# Altium PCB CATS-FAT..PcbDoc (part 1 of 2) (continued)
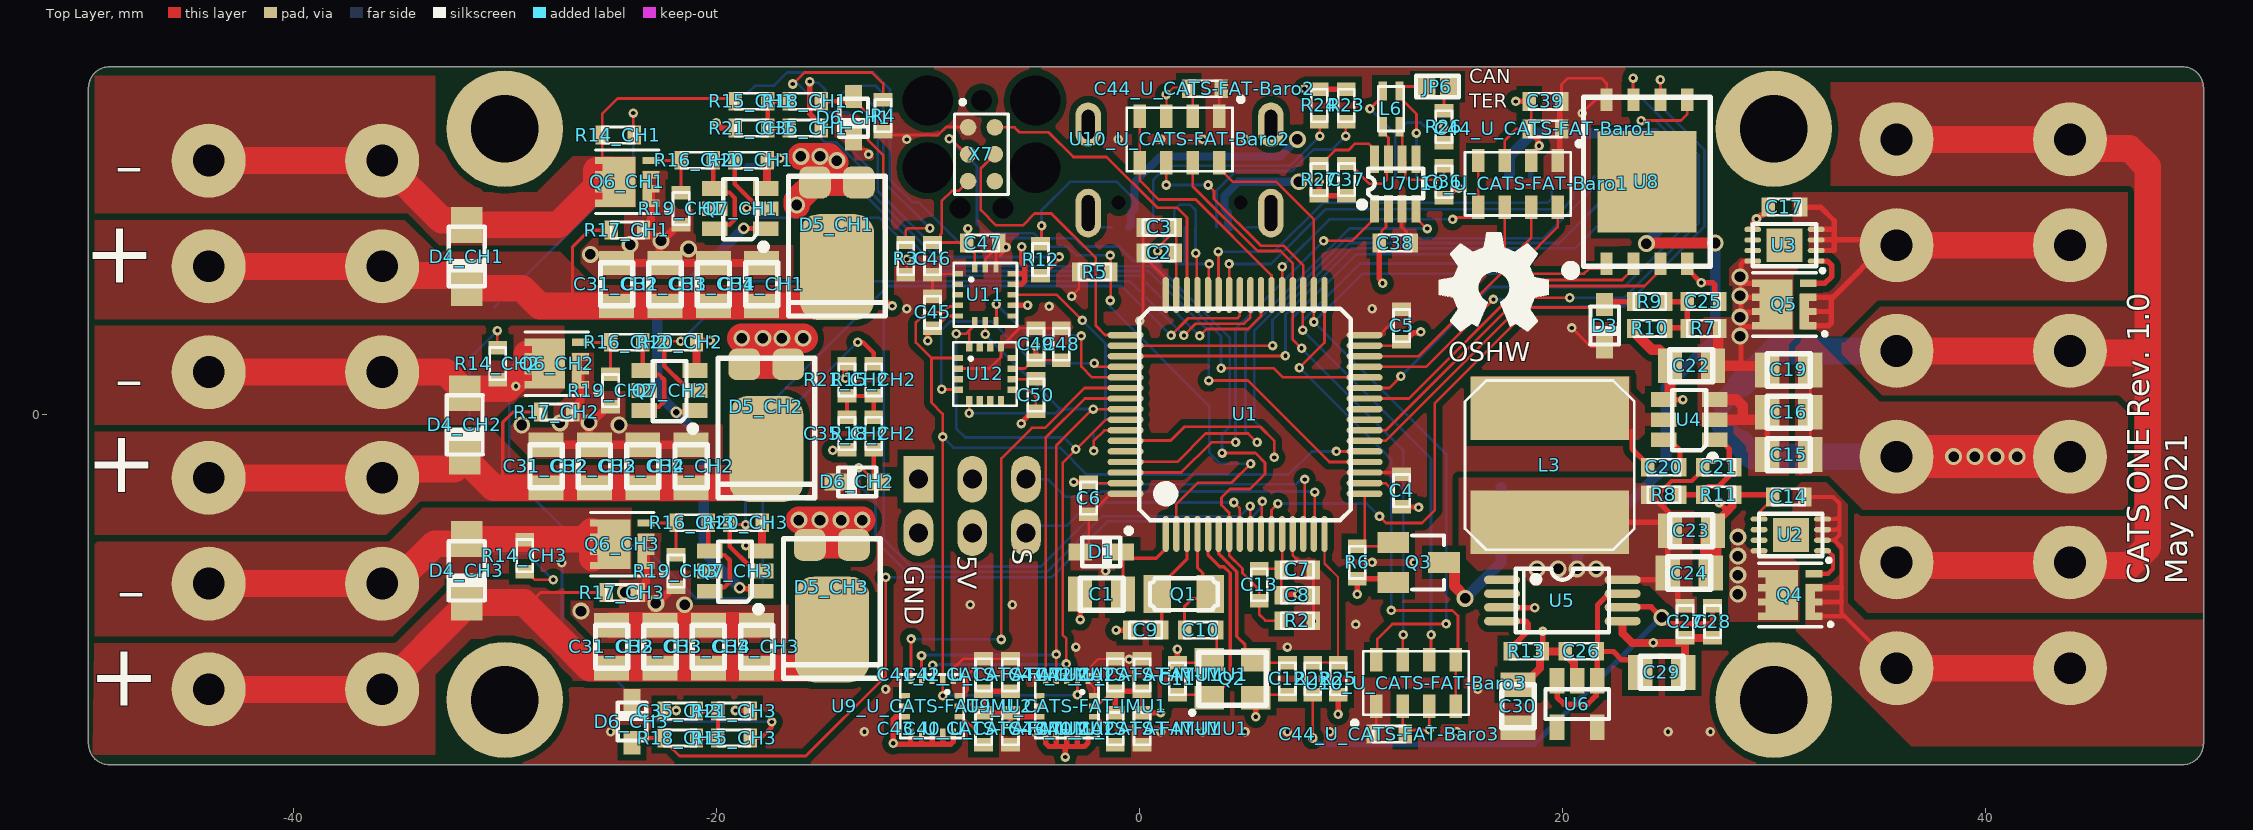
[diagram p0: Top Layer view]
## Components (designator, comment, footprint, x,y, rotation, side; value= is the part's Value field where it differs from the comment) (continued)
D6_CH1 "B0530WSRRGCT" "SMD DIODE SOD-323F" -13.509,14.029 r270 top (schematic designator D6)
D6_CH2 "B0530WSRRGCT" "SMD DIODE SOD-323F" -13.334,-3.19 r180 top (schematic designator D6)
D6_CH3 "B0530WSRRGCT" "SMD DIODE SOD-323F" -23.988,-14.522 r90 top (schematic designator D6)
JP1 "Jumper" "SMD SOLDER JUMPER 1X2MM" 27.559,0 r90 bottom
JP6 "Jumper" "SMD SOLDER JUMPER 1X2MM" 14.1,15.5 r0 top
L3 "6.8µH" "SMD INDUCTOR 8X8" 19.4,-2.4 r0 top
L6 "Common Mode Choke" "SMD COMMON MODE CHOKE 2X1.2" 12.3,13.6 r90 top
LS1 "Buzzer" "SMD BUZZER CMT-8504" 20.5,0 r90 bottom
P1 "LED" "SMD LED 0603" -14.224,14.224 r270 bottom
P2 "LED" "SMD LED 0603" -15.494,14.224 r270 bottom
P3 "LED" "SMD LED 0603" -12.954,14.224 r270 bottom
P4_CH1 "LED" "SMD LED 0603" -30.48,5.83 r90 bottom (schematic designator P4)
P4_CH2 "LED" "SMD LED 0603" -30.48,0 r90 bottom (schematic designator P4)
P4_CH3 "LED" "SMD LED 0603" -30.48,-5.83 r90 bottom (schematic designator P4)
Q1 "32.768kHz" "SMD CRYSTAL 3.2X1.5X0.9" 2.1,-8.5 r0 top
Q2 "8MHz" "SMD CRYSTAL 3.2X2.5X0.8" 4.4,-12.5 r0 top
Q3 "2N7002" "SMD MOSFET SOT-23" 13.2,-7 r270 top
Q4 "AON7524" "SMD MOSFET DFN 3X3 EP" 30.775,-8.535 r180 top
Q5 "AON7524" "SMD MOSFET DFN 3X3 EP" 30.5,5.2 r180 top
Q6_CH1 "AON7524" "SMD MOSFET DFN 3X3 EP" -24.206,10.997 r180 top (schematic designator Q6)
Q6_CH2 "AON7524" "SMD MOSFET DFN 3X3 EP" -27.543,2.398 r180 top (schematic designator Q6)
Q6_CH3 "AON7524" "SMD MOSFET DFN 3X3 EP" -24.443,-6.138 r180 top (schematic designator Q6)
Q7_CH1 "ZXGD3009E6" "SMD IC SOT-23-6" -18.872,9.727 r90 top (schematic designator Q7)
Q7_CH2 "ZXGD3009E6" "SMD IC SOT-23-6" -22.209,1.128 r90 top (schematic designator Q7)
Q7_CH3 "ZXGD3009E6" "SMD IC SOT-23-6" -19.109,-7.408 r90 top (schematic designator Q7)
R2 "10k" "SMD WIDERSTAND 0603" 7.468,-9.754 r0 top
R3 "1.0k" "SMD WIDERSTAND 0603" -11.049,7.366 r270 top
R4 "1.0k" "SMD WIDERSTAND 0603" -12.116,14.122 r270 top
R5 "10k" "SMD WIDERSTAND 0603" -2.108,6.731 r180 top
R6 "10k" "SMD WIDERSTAND 0603" 10.3,-7 r90 top
R7 "91k" "SMD WIDERSTAND 0603" 26.67,4.064 r0 top
R8 "43k" "SMD WIDERSTAND 0603" 24.8,-3.8 r180 top
R9 "10k" "SMD WIDERSTAND 0603" 24.13,5.334 r0 top
R10 "10k" "SMD WIDERSTAND 0603" 24.13,4.064 r0 top
R11 "8.2k" "SMD WIDERSTAND 0603" 27.4,-3.8 r180 top
R12 "1.0k" "SMD WIDERSTAND 0603" -4.674,7.315 r90 top
R13 "560" "SMD WIDERSTAND 0603" 18.3,-11.2 r180 top
R14_CH1 "36k" "SMD WIDERSTAND 0603" -24.638,13.208 r180 top (schematic designator R14)
R14_CH2 "36k" "SMD WIDERSTAND 0603" -30.337,2.398 r270 top (schematic designator R14)
R14_CH3 "36k" "SMD WIDERSTAND 0603" -29.058,-6.68 r90 top (schematic designator R14)
R15_CH1 "91k" "SMD WIDERSTAND 0603" -18.335,14.807 r180 top (schematic designator R15)
R15_CH2 "91k" "SMD WIDERSTAND 0603" -12.557,1.636 r90 top (schematic designator R15)
R15_CH3 "91k" "SMD WIDERSTAND 0603" -19.162,-15.3 r0 top (schematic designator R15)
R16_CH1 "270" "SMD WIDERSTAND 0603" -20.904,12.013 r0 top (schematic designator R16)
R16_CH2 "270" "SMD WIDERSTAND 0603" -24.241,3.414 r0 top (schematic designator R16)
R16_CH3 "270" "SMD WIDERSTAND 0603" -21.141,-5.122 r0 top (schematic designator R16)
R17_CH1 "2.0k" "SMD WIDERSTAND 0603" -24.206,8.711 r180 top (schematic designator R17)
R17_CH2 "2.0k" "SMD WIDERSTAND 0603" -27.543,0.112 r180 top (schematic designator R17)
R17_CH3 "2.0k" "SMD WIDERSTAND 0603" -24.443,-8.424 r180 top (schematic designator R17)
R18_CH1 "10k" "SMD WIDERSTAND 0603" -15.795,14.807 r180 top (schematic designator R18)
R18_CH2 "10k" "SMD WIDERSTAND 0603" -12.557,-0.904 r90 top (schematic designator R18)
R18_CH3 "10k" "SMD WIDERSTAND 0603" -21.702,-15.3 r0 top (schematic designator R18)
R19_CH1 "10k" "SMD WIDERSTAND 0603" -21.666,9.727 r90 top (schematic designator R19)
R19_CH2 "10k" "SMD WIDERSTAND 0603" -25.003,1.128 r90 top (schematic designator R19)
R19_CH3 "10k" "SMD WIDERSTAND 0603" -21.903,-7.408 r90 top (schematic designator R19)
R20_CH1 "10k" "SMD WIDERSTAND 0603" -18.364,12.013 r180 top (schematic designator R20)
R20_CH2 "10k" "SMD WIDERSTAND 0603" -21.701,3.414 r180 top (schematic designator R20)
R20_CH3 "10k" "SMD WIDERSTAND 0603" -18.601,-5.122 r180 top (schematic designator R20)
R21_CH1 "10k" "SMD WIDERSTAND 0603" -18.335,13.537 r0 top (schematic designator R21)
R21_CH2 "10k" "SMD WIDERSTAND 0603" -13.827,1.636 r270 top (schematic designator R21)
R21_CH3 "10k" "SMD WIDERSTAND 0603" -19.162,-14.03 r180 top (schematic designator R21)
R22 "5.1k" "SMD WIDERSTAND 0603" 8.2,-12.5 r90 top
R23 "5.1k" "SMD WIDERSTAND 0603" 9.779,14.605 r270 top
R24 "5.1k" "SMD WIDERSTAND 0603" 8.509,14.605 r270 top
R25 "10k" "SMD WIDERSTAND 0603" 9.4,-12.5 r270 top
R26 "120" "SMD WIDERSTAND 0603" 14.4,13.6 r90 top
R27 "100k" "SMD WIDERSTAND 0603" 8.5,11.1 r90 top
S2 "SMD-Button" "SMD BUTTON 2.5X3X1.2" -18.542,13.462 r270 bottom
U1 "STM32L433RCT" "SMD IC LQFP64-N" 5,0 r90 top
U2 "*MAX16171ATA/VY+" "SMD IC TDFN-8" 30.8,-5.7 r90 top
U3 "*MAX16171ATA/VY+" "SMD IC TDFN-8" 30.5,8 r90 top
U4 "AP63300" "SMD IC TSOT-23-6" 26,-0.25 r90 top
U5 "TPS2115APWR" "SMD IC TSSOP-8" 20,-8.8 r270 top value=TPS2115A
U6 "XC6219A332MR" "SMD IC SOT-23-5" 20.7,-13.7 r180 top
U7 "MAX3051EKA+T" "SMD IC SOT-23-8" 12.1,10.9 r0 top
U8 "W25Q512JVEIQ" "SMD IC WSON-8 [8X6]" 24,11 r90 top
U9_U_CATS-FAT-IMU1 "ICM-20601" "SMD IC LGA-16 5/3" -3.429,-13.8 r270 top (schematic designator U9)
U9_U_CATS-FAT-IMU2 "ICM-20601" "SMD IC LGA-16 5/3" -9.8,-13.8 r270 top (schematic designator U9)
U10_U_CATS-FAT-Baro1 "MS5607-02BA03" "SMD IC BARO MS5607" 17.9,10.9 r270 top (schematic designator U10)
U10_U_CATS-FAT-Baro2 "MS5607-02BA03" "SMD IC BARO MS5607" 1.9,13 r270 top (schematic designator U10)
U10_U_CATS-FAT-Baro3 "MS5607-02BA03" "SMD IC BARO MS5607" 13.081,-12.7 r90 top (schematic designator U10)
U11 "H3LIS100DL" "SMD IC LGA-16 5/3" -7.281,5.654 r0 top
U12 "MMC5983MA" "SMD IC LGA-16 4/4" -7.292,1.916 r0 top
X1 "WAGO 2604-1106" "THT PCB TERMINAL WAGO 2604-1106" 44,-12 r90 bottom
X2 "WAGO 2604-1106" "THT PCB TERMINAL WAGO 2604-1106" -44,12 r270 bottom
X3 "JST SH 3-Pin" "SMD CONNECTOR JST-SR 3 PIN" 12.1,13.2 r0 bottom
X4 "Servo Connector" "THT STIFTLEISTE 6-POL (2X3) 90°" -7.9,-4.33 r0 bottom
X6 "JST SH 8-Pin" "SMD CONNECTOR JST-SR 8 PIN" 21,13.2 r0 bottom
X7 "TC2030-CTX-NL" "SMD CONNECTOR TC2030 W/ HOLES" -7.465,14.84 r270 top
X8 "USB 2.0 Typ-C" "THT USB-C SOCKET (A40-00119)" 1.9,16.3 r0 bottom

## Footprints (in the part's own frame and the unit in brackets; to place one, negate y for a bottom-side part, rotate by r counter-clockwise, add the part's x,y. Pads: shape width x height; smd on the part's side, far side on the other; paste and mask are expansions set on the pad)
"SMD BUTTON 2.5X3X1.2" [mm] "SMD_LED_RED"
  rect 1.4x1.7 smd: 1(-1.7,0) 2(1.7,0)
  silkscreen extent -1.5,-1.25 1.5,1.25, body extent -2,-1.25 2,1.25, height 1.6
"SMD BUZZER CMT-8504" [mm]
  rect 2.5x2.5 smd: 1(-3.45,3.4) 2(-3.45,-3.4) NC(3.45,-3.4) NC(3.45,3.4)
  silkscreen extent -4.55,-4.2 4.25,6, body extent -4.3,-4.28 4.23,4.25, height 4
"SMD COMMON MODE CHOKE 2X1.2" [mm]
  rect 0.9x0.4 smd: 1(0,0) 2(1.7,0) 3(1.7,0.8) 4(0,0.8)
  silkscreen extent -0.2,-0.2 1.9,1, body extent -0.15,-0.2 1.85,1, height 1.16
"SMD CONNECTOR JST-SR 3 PIN" [mm]
  rect 0.6x1.55 smd: 1(-1,1.95) 2(0,1.95) 3(1,1.95)
  rect 1.2x1.8 smd: NC(-2.3,-1.95) NC(2.3,-1.95)
  silkscreen extent -2.4,-3.05 2.5,1.52, body extent -2.5,-2.8 2.5,2.15, height 3.25
"SMD CONNECTOR JST-SR 8 PIN" [mm]
  rect 0.6x1.55 smd: 1(-3.5,1.95) 2(-2.5,1.95) 3(-1.5,1.95) 4(-0.5,1.95) 5(0.5,1.95) 6(1.5,1.95) 7(2.5,1.95) 8(3.5,1.95)
  rect 1.2x1.8 smd: NC(-4.8,-1.95) NC(4.8,-1.95)
  silkscreen extent -4.9,-3.25 5.1,1.75, body extent -4.9,-3.24 5.1,1.71, height 2.96
"SMD CONNECTOR TC2030 W/ HOLES" [mm]
  round 0.787 smd: 1(1.27,-0.635) 2(1.27,0.635) 3(2.54,-0.635) 4(2.54,0.635) 5(3.81,-0.635) 6(3.81,0.635)
  round 0.1 hole 2.375: NC(0,2.54) NC(0,-2.54) NC(3.175,2.54) NC(3.175,-2.54)
  round 0.1 hole 0.991: NC(0,0) NC(5.08,-1.016) NC(5.08,1.016)
  silkscreen extent 0,-1.27 4.44,1.27
"SMD CRYSTAL 3.2X1.5X0.9" [mm] "SMD_LED_RED"
  rect 1.3x1.8 smd: 1(-1.25,0) 2(1.25,0)
  silkscreen extent -1.6,-0.75 1.6,0.75, body extent -1.61,-0.76 1.61,0.76, height 0.91
"SMD CRYSTAL 3.2X2.5X0.8" [mm] "SMD_LED_RED"
  rect 1.4x1.1 smd: 1(-1.1,-0.9) 2(1.1,0.9) 3(-1.1,0.9) 3(1.1,-0.9)
  silkscreen extent -2,-1.7 1.6,1.25, body extent -1.65,-1.3 1.65,1.3, height 0.8
"SMD DIODE SOD-123" [mm] "SM LED; 2 Flat Leads"
  rect 1.7x1.5 smd: A(-1.5,0) K(1.5,0)
  silkscreen extent -1.4,-0.88 1.4,0.9, body extent -1.93,-0.85 1.93,0.85, height 1.42
"SMD DIODE SOD-323F" [mm] "SM LED; 2 Flat Leads"
  rect 1.1x0.8 smd: A(-1,0) K(1,0)
  silkscreen extent -0.9,-0.67 0.9,0.67, body extent -1.25,-0.68 1.25,0.67, height 1.02
"SMD DIODE TO-277" [mm]
  rrect50% 1.5x1.5 smd: A(-2,1.04) A(-2,-1.04)
  rrect50% 5x3.5 smd: K(2,0)
  silkscreen extent -2.29,-2.29 4.31,2.29, body extent -2.33,-2.37 4.32,2.38, height 1.2
"SMD IC BARO MS5607" [mm]
  rect 1.1x0.6 smd: 1(-1.1,1.875) 2(-1.1,0.625) 3(-1.1,-0.625) 4(-1.1,-1.875) 5(1.1,-1.875) 6(1.1,-0.625) 7(1.1,0.625) 8(1.1,1.875)
  silkscreen extent -2,-2.5 1.5,3, body extent -1.5,-2.5 1.5,2.5, height 0.95
"SMD IC LGA-16 4/4" [mm]
  rect 0.45x0.3 smd: 1(-1.275,0.75) 2(-1.275,0.25) 3(-1.275,-0.25) 4(-1.275,-0.75) 9(1.275,-0.75) 10(1.275,-0.25) 11(1.275,0.25) 12(1.275,0.75)
  rect 0.3x0.45 smd: 5(-0.75,-1.275) 6(-0.25,-1.275) 7(0.25,-1.275) 8(0.75,-1.275) 13(0.75,1.275) 14(0.25,1.275) 15(-0.25,1.275) 16(-0.75,1.275)
  silkscreen extent -1.5,-1.5 1.5,1.5, body extent -1.5,-1.5 1.5,1.5, height 1
"SMD IC LGA-16 5/3" [mm]
  rect 0.5x0.25 smd: 1(-1.3,1) 2(-1.3,0.5) 3(-1.3,0) 4(-1.3,-0.5) 5(-1.3,-1) 9(1.3,-1) 10(1.3,-0.5) 11(1.3,0) 12(1.3,0.5) 13(1.3,1)
  rect 0.25x0.5 smd: 6(-0.5,-1.3) 7(0,-1.3) 8(0.5,-1.3) 14(0.5,1.3) 15(0,1.3) 16(-0.5,1.3)
  silkscreen extent -1.5,-1.5 1.5,1.5, body extent -1.5,-1.5 1.5,1.5, height 1
"SMD IC LQFP64-N" [mm] "Thin QFP, 64-Leads, Body 10x10mm, Pitch 0.5mm, IPC Medium Density"
  oval 1.7x0.3 smd: 1(-5.65,3.75) 2(-5.65,3.25) 3(-5.65,2.75) 4(-5.65,2.25) 5(-5.65,1.75) 6(-5.65,1.25) 7(-5.65,0.75) 8(-5.65,0.25) 9(-5.65,-0.25) 10(-5.65,-0.75) 11(-5.65,-1.25) 12(-5.65,-1.75) 13(-5.65,-2.25) 14(-5.65,-2.75) 15(-5.65,-3.25) 16(-5.65,-3.75) 33(5.65,-3.75) 34(5.65,-3.25) 35(5.65,-2.75) 36(5.65,-2.25) 37(5.65,-1.75) 38(5.65,-1.25) 39(5.65,-0.75) 40(5.65,-0.25) 41(5.65,0.25) 42(5.65,0.75) 43(5.65,1.25) 44(5.65,1.75) 45(5.65,2.25) 46(5.65,2.75) 47(5.65,3.25) 48(5.65,3.75)
  oval 0.3x1.7 smd: 17(-3.75,-5.65) 18(-3.25,-5.65) 19(-2.75,-5.65) 20(-2.25,-5.65) 21(-1.75,-5.65) 22(-1.25,-5.65) 23(-0.75,-5.65) 24(-0.25,-5.65) 25(0.25,-5.65) 26(0.75,-5.65) 27(1.25,-5.65) 28(1.75,-5.65) 29(2.25,-5.65) 30(2.75,-5.65) 31(3.25,-5.65) 32(3.75,-5.65) 49(3.75,5.65) 50(3.25,5.65) 51(2.75,5.65) 52(2.25,5.65) 53(1.75,5.65) 54(1.25,5.65) 55(0.75,5.65) 56(0.25,5.65) 57(-0.25,5.65) 58(-0.75,5.65) 59(-1.25,5.65) 60(-1.75,5.65) 61(-2.25,5.65) 62(-2.75,5.65) 63(-3.25,5.65) 64(-3.75,5.65)
  silkscreen extent -5.62,-5 5,5.62, body extent -6,-6 6,6, height 1.5
"SMD IC SOT-23-5" [mm]
  rect 0.7x1.2 smd: 1(-0.95,-1.1) 2(0,-1.1) 3(0.95,-1.1) 4(0.95,1.1) 5(-0.95,1.1)
  silkscreen extent -1.5,-0.7 1.5,0.7, body extent -1.5,-1.2 1.5,1.3, height 1.1
"SMD IC SOT-23-6" [mm] "SOT-223/SC-73; 4 Leads; Body 6.7 x 7.3 mm, inc. leads (LxW max)"
  rect 0.7x1.2 smd: 1(-0.95,-1.2) 2(0,-1.2) 3(0.95,-1.2) 4(0.95,1.2) 5(0,1.2) 6(-0.95,1.2)
  silkscreen extent -1.9,-1.2 1.4,0.8, body extent -1.45,-1.4 1.45,1.4, height 1.45
"SMD IC SOT-23-8" [mm]
  rect 0.42x1.3 smd: 1(-0.975,-1.175) 2(-0.325,-1.175) 3(0.325,-1.175) 4(0.975,-1.175) 5(0.975,1.175) 6(0.325,1.175) 7(-0.325,1.175) 8(-0.975,1.175)
  silkscreen extent -1.72,-1.12 1.33,0.73, body extent -1.5,-1.5 1.5,1.5, height 1.45
"SMD IC TDFN-8" [mm] "QFN, 48-Leads, Body 7x7mm, Pitch 0.5mm, IPC Medium Density"
  oval 0.25x0.8 smd: 1(-0.75,-1.5) 2(-0.25,-1.5) 3(0.25,-1.5) 4(0.75,-1.5) 5(0.75,1.5) 6(0.25,1.5) 7(-0.25,1.5) 8(-0.75,1.5)
  rect 1.6x1.7 smd: PAD(0,0)
  silkscreen extent -1.28,-1.88 1,1.5, body extent -1,-1.5 1,1.5, height 0.8
"SMD IC TSOT-23-6" [mm] "SOT-223/SC-73; 4 Leads; Body 6.7 x 7.3 mm, inc. leads (LxW max)"
  rect 0.7x1.2 smd: 1(-0.95,-1.2) 2(0,-1.2) 3(0.95,-1.2) 4(0.95,1.2) 5(0,1.2) 6(-0.95,1.2)
  silkscreen extent -1.9,-1.2 1.4,0.8, body extent -1.5,-1.4 1.5,1.4, height 0.86
"SMD IC TSSOP-8" [mm] "Shrink Small Outline; 16 Leads; Body Width 4.4 mm; Pitch 0.65 mm"
  oval 0.4x1.7 smd: 1(-0.975,-2.85) 2(-0.325,-2.85) 3(0.325,-2.85) 4(0.975,-2.85) 5(0.975,2.85) 6(0.325,2.85) 7(-0.325,2.85) 8(-0.975,2.85)
  silkscreen extent -1.5,-2.2 1.5,2.2, body extent -1.5,-3.23 1.5,3.23, height 1.2
"SMD IC WSON-8 [8X6]" [mm]
  rect 1.05x0.57 smd: 1(-3.875,1.905) 2(-3.875,0.635) 3(-3.875,-0.635) 4(-3.875,-1.905) 5(3.875,-1.905) 6(3.875,-0.635) 7(3.875,0.635) 8(3.875,1.905)
  rect 4.8x4.7 smd: PAD(0,0)
  silkscreen extent -4.39,-3 4,3.81, body extent -4,-3 4,3, height 0.75
"SMD INDUCTOR 8X8" [mm]
  rect 7.5x3 smd: 1(0,2.7) 2(0,-2.7)
  silkscreen extent -4,-4 4,4, body extent -4,-4 4,4, height 6.57
"SMD KERAMIKKONDENSATOR 0603" [mil]
  rect 25x35 smd: 1(-30,0) 2(30,0)
  silkscreen extent -30,-15 30,15, body extent -31,-16 32,16, height 32
"SMD KERAMIKKONDENSATOR 0805" [mil]
  rect 45x65 smd: 1(-40,0) 2(40,0)
  silkscreen extent -40,-30 40,30, body extent -39,-25 39,25, height 31
"SMD LED 0603" [mm] "SMD_LED_RED"
  rect 0.8x0.8 smd: A(-0.75,0) K(0.75,0)
  silkscreen extent -0.8,-0.4 0.8,0.4, body extent -0.81,-0.37 0.84,0.36, height 0.68
"SMD MOSFET DFN 3X3 EP" [mm]
  rect 1.55x2.36 smd: D(0.4,0)
  rect 0.8x0.35 smd: D(1.125,1.005) D(1.125,-0.335) D(1.125,0.335) D(1.125,-1.005) G(-1.125,-1.005) S(-1.125,1.005) S(-1.125,-0.335) S(-1.125,0.335)
  rect 0.45x1.68 smd: S(-0.947,0.341)
  silkscreen extent -1.96,-1.5 1.5,1.5, body extent -1.63,-1.5 1.5,1.5, height 0.5
"SMD MOSFET SOT-23" [mm]
  rect 1x1.5 smd: D(0,1.2) G(-0.95,-1.2) S(0.95,-1.2)
  silkscreen extent -1.28,-0.3 1.27,1.2, body extent -1.5,-1.3 1.5,1.2, height 1.1
"SMD SOLDER JUMPER 1X2MM" [mm] "SOT-223/SC-73; 4 Leads; Body 6.7 x 7.3 mm, inc. leads (LxW max)"
  rect 0.9x0.9 smd: 1(-0.559,0) 2(0.559,0)
  silkscreen extent -1.02,-0.51 1.02,0.51
"SMD WIDERSTAND 0603" [mil]
  rect 25x35 smd: 1(-30,0) 2(30,0)
  silkscreen extent -30,-15 30,15, body extent -31,-16 31,16, height 18
"THT PCB TERMINAL WAGO 2604-1106" [mm]
  round 3.5 hole 1.5: 1(0,-8.2) 1(0,0) 2(5,-8.2) 2(5,0) 3(10,-8.2) 3(10,0) 4(15,-8.2) 4(15,0) 5(20,-8.2) 5(20,0) 6(25,-8.2) 6(25,0)
  silkscreen extent -4,-11 28,5.5, body extent -3.75,-11.05 28.65,8.15, height 16.7
"THT STIFTLEISTE 6-POL (2X3) 90°" [mm]
  rect 1.4x2.2 hole 0.9: 1(-2.54,-1.27)
  oval 1.4x2.2 hole 0.9: 2(-2.54,1.27) 3(0,-1.27) 4(0,1.27) 5(2.54,-1.27) 6(2.54,1.27)
  silkscreen extent -3.81,-2.54 3.81,12.19, body extent -3.81,-1.58 3.81,12.15, height 5.63
"THT USB-C SOCKET (A40-00119)" [mm]
  rect 0.6x1.25 smd: A1B12(-3.2,7.45) A4B9(-2.4,7.45) B1A12(3.2,7.45) B4A9(2.4,7.45)
  rect 0.3x1.25 smd: A5(-1.25,7.45) A6(-0.25,7.45) A7(0.25,7.45) A8(1.25,7.45) B5(1.75,7.45) B6(0.75,7.45) B7(-0.75,7.45) B8(-1.75,7.45)
  oval 1.2x2.1 hole 0.6 slot 1.4 at 90 deg: G1(-4.32,2.6) G3(4.32,2.6)
  oval 1.2x2.3 hole 0.6 slot 1.7 at 90 deg: G2(-4.32,6.78) G4(4.32,6.78)
  round 0 hole 0.65 unplated: NC(-2.89,6.28) NC(2.89,6.28)
  silkscreen extent -4.4,0 4.4,7.3, body extent -4.47,0 4.48,7.75, height 3.26

## Part data
C1: library part "E6 - 47uF", "SMD Ceramic Capacitor E6", Number=-, Supplier=-, Unit Price=0.01
C2 C46: library part "E6 - 4.7uF", "SMD Ceramic Capacitor E6", Number=-, Supplier=-, Unit Price=0.01
C3 C4 C5 C6 C7 C13 C14 C17 C20 C26 C27 C28 C38 C39 C40_U_CATS-FAT-IMU1 C40_U_CATS-FAT-IMU2 C44_U_CATS-FAT-Baro1 C44_U_CATS-FAT-Baro2 C44_U_CATS-FAT-Baro3 C45 C47 C48 C49: library part "E6 - 100nF", "SMD Ceramic Capacitor E6", Number=-, Supplier=-, Unit Price=0.01
C8 C25 C35_CH1 C35_CH2 C35_CH3 C42_U_CATS-FAT-IMU1 C42_U_CATS-FAT-IMU2 C50: library part "E6 - 10nF", "SMD Ceramic Capacitor E6", Number=-, Supplier=-, Unit Price=0.01
C9 C10 C11 C12: library part "E6 - 10pF", "SMD Ceramic Capacitor E6", Number=-, Supplier=-, Unit Price=0.01
C15 C16 C19 C22 C23 C24 C29 C30 C31_CH1 C31_CH2 C31_CH3 C32_CH1 C32_CH2 C32_CH3 C33_CH1 C33_CH2 C33_CH3 C34_CH1 C34_CH2 C34_CH3: library part "E6 - 22uF", "SMD Ceramic Capacitor E6", Number=-, Supplier=-, Unit Price=0.01
C21 C36 C37: library part "E6 - 47pF", "SMD Ceramic Capacitor E6", Number=-, Supplier=-, Unit Price=0.01
C41_U_CATS-FAT-IMU1 C41_U_CATS-FAT-IMU2: library part "E6 - 2.2uF", "SMD Ceramic Capacitor E6", Number=-, Supplier=-, Unit Price=0.01
C43_U_CATS-FAT-IMU1 C43_U_CATS-FAT-IMU2: library part "E6 - 470nF", "SMD Ceramic Capacitor E6", Number=-, Supplier=-, Unit Price=0.01
D1 D3 D6_CH1 D6_CH2 D6_CH3: "200mW, 0.47V Schottky Barrier Diode", ComponentLink1Description=Datasheet, ComponentLink1URL=https://www.taiwansemi.com/products/datasheet/B0530WS_J1709.pdf, Digikey=B0530WSRRGCT-ND
D4_CH1 D4_CH2 D4_CH3: "Diode Schottky 3A Surface Mount CFP3", Digikey=1727-5313-2-ND
D5_CH1 D5_CH2 D5_CH3: "Diode Schottky 15A Surface Mount TO-277-3", ComponentLink1Description=Datasheet, ComponentLink1URL=https://www.mccsemi.com/pdf/Products/MBR15U60(TO-277).pdf, Digikey=MBR15U60-TPMSTR-ND
JP1 JP6: library part Jumper-1, "Single Position Jumper"
L3: library part "Inductor 6.8µH / 5A", "FIXED IND 6.8UH 5A 25MOHM SMD", Digikey=SRN8040TA-6R8MTR-ND
L6: library part "Common Mode Choke (CAN)", "2 Line Common Mode Choke Surface Mount 370mA DCR 300mOhm", ComponentLink1Description=Datasheet, ComponentLink1URL=https://www.we-online.de/katalog/datasheet/744231121.pdf, Digikey=732-1465-2-ND
LS1: "Buzzers Indicator, Internally Driven Piezo 12V 10mA 3kHz 100dB @ 12V, 10cm Through Hole PC Pins", ComponentLink1Description=Datasheet, ComponentLink1URL=https://dbunlimitedco.com/images/product_images/2D-Drawings/IP303012-1.pdf, Digikey=2104-IP303012-1-ND
P1 P2 P3 P4_CH1 P4_CH2 P4_CH3: "Color LED"
Q1: library part "Crystal 32.768kHz", "CRYSTAL 32.7680KHZ 9PF SMD", Digikey=2195-CM7VT1ALOWESR32.768KHZ9PF20TAQCTR-ND
Q2: library part Crystal, "SMD Crystal Resonators 8MHz ±10ppm SMD,3.2x2.5mm", Digikey=535-15255-1-ND
Q3: "MOSFET N-Channel 20V / 115mA", ComponentLink1Description=Datasheet, ComponentLink1URL=https://www.onsemi.com/pub/Collateral/NDS7002A-D.PDF, Digikey=2N7002NCT-ND, Item Description="N-Channel MOSFET", Price=0.32
Q4 Q5 Q6_CH1 Q6_CH2 Q6_CH3: "N-Channel 30V 25A (Ta), 28A (Tc) 3.1W (Ta), 32W (Tc) Surface Mount 8-DFN (3x3)", ComponentLink1Description=Datasheet, ComponentLink1URL=http://aosmd.com/res/data_sheets/AON7524.pdf, Digikey=785-1634-1-ND, Item Description="N-Channel MOSFET"
Q7_CH1 Q7_CH2 Q7_CH3: "Low-Side Gate Driver IC Non-Inverting SOT-26", ComponentLink1Description=Datasheet, ComponentLink1URL=https://www.diodes.com/assets/Datasheets/ZXGD3009E6.pdf, Digikey=ZXGD3009E6TADICT-ND
R2 R5 R6 R9 R10 R18_CH1 R18_CH2 R18_CH3 R19_CH1 R19_CH2 R19_CH3 R20_CH1 R20_CH2 R20_CH3 R21_CH1 R21_CH2 R21_CH3 R25: library part "E24 - 10k", "SMD Chip Resistor E24", Number=-, Supplier=-, Unit Price=0.01
R3 R4 R12: library part "E24 - 1.0k", "SMD Chip Resistor E24", Number=-, Supplier=-, Unit Price=0.01
R7 R15_CH1 R15_CH2 R15_CH3: library part "E24 - 91k", "SMD Chip Resistor E24", Number=-, Supplier=-, Unit Price=0.01
R8: library part "E24 - 43k", "SMD Chip Resistor E24", Number=-, Supplier=-, Unit Price=0.01
R11: library part "E24 - 8.2k", "SMD Chip Resistor E24", Number=-, Supplier=-, Unit Price=0.01
R13: library part "E24 - 560", "SMD Chip Resistor E24", Number=-, Supplier=-, Unit Price=0.01
R14_CH1 R14_CH2 R14_CH3: library part "E24 - 36k", "SMD Chip Resistor E24", Number=-, Supplier=-, Unit Price=0.01
R16_CH1 R16_CH2 R16_CH3: library part "E24 - 270", "SMD Chip Resistor E24", Number=-, Supplier=-, Unit Price=0.01
R17_CH1 R17_CH2 R17_CH3: library part "E24 - 2.0k", "SMD Chip Resistor E24", Number=-, Supplier=-, Unit Price=0.01
R22 R23 R24: library part "E24 - 5.1k", "SMD Chip Resistor E24", Number=-, Supplier=-, Unit Price=0.01
R26: library part "E24 - 120", "SMD Chip Resistor E24", Number=-, Supplier=-, Unit Price=0.01
R27: library part "E24 - 100k", "SMD Chip Resistor E24", Number=-, Supplier=-, Unit Price=0.01
S2: library part "Button 3mmx2.5mm", "Button SPST", LCSC=C128937, Digikey=SW1020TR-ND
U1: "ARM® Cortex®-M4 series Microcontroller IC 32-Bit 80MHz 256KB (256K x 8) FLASH 64-LQFP (10x10)", ComponentLink1Description=Datasheet, ComponentLink1URL=https://www.st.com/content/ccc/resource/technical/document/datasheet/f7/a0/fc/27/24/4e/4f/3f/DM00257192.pdf/files/DM00257192.pdf/jcr:content/translations/en.DM00257192.pdf, Digikey=497-17968-ND
U2 U3: library part MAX16171ATA/VY+, "OR Controller N+1 ORing Controller N-Channel 1:1 8-TDFN-CU (2x3)", ComponentLink1Description=Datasheet, ComponentLink1URL=https://datasheets.maximintegrated.com/en/ds/MAX16171.pdf, Digikey=175-MAX16171ATA/VY+-ND
U4: "3.8V TO 32V INPUT, 3A LOW IQ SYNCHRONOUS BUCK WITH ENHANCED EMI REDUCTION", ComponentLink1Description=Datasheet, ComponentLink1URL=https://www.diodes.com/assets/Datasheets/AP63300-AP63301.pdf, Digikey=31-AP63300WU-7TR-ND
U5: "Autoswitching Power MUX 1.25A", ComponentLink1Description=Datasheet, ComponentLink1URL=http://www.ti.com/lit/ds/symlink/tps2115a.pdf, Digikey=296-16940-1-ND, Item Description="Source Selector", Price=2.41
U6: "300mA High Speed LDO Regulators with ON/OFF Switch", ComponentLink1Description=Datasheet, ComponentLink1URL=https://datasheet.lcsc.com/szlcsc/1809201520_Torex-Semicon-XC6219A332MR_C58229.pdf, Digikey=893-1167-1-ND
U7: "+3.3V, 1Mbps, Low-Supply-Current / CAN Transceiver", ComponentLink1Description=Datasheet, ComponentLink1URL=https://datasheets.maximintegrated.com/en/ds/MAX3051.pdf, Digikey=MAX3051EKA+TTR-ND
U8: "FLASH - NOR Memory IC 512Mb (64M x 8) SPI - Quad I/O 133MHz 8-WSON (8x6)", ComponentLink1Description=Datasheet, ComponentLink1URL=https://www.winbond.com/resource-files/W25Q512JV%20SPI%20RevB%2006252019%20KMS.pdf, Digikey=W25Q512JVEIQ-ND, Item Description="Flash Memory"
U9_U_CATS-FAT-IMU1 U9_U_CATS-FAT-IMU2: "World’s First Wide-Range 6-Axis MotionTracking Device for High Speed Applications", ComponentLink1Description=Datasheet, ComponentLink1URL=https://www.invensense.com/wp-content/uploads/2015/12/DS-000184-ICM-20600-v1.0.pdf, Digikey=1428-1058-1-ND
U10_U_CATS-FAT-Baro1 U10_U_CATS-FAT-Baro2 U10_U_CATS-FAT-Baro3: "Barometric Pressure Sensor, with stainless / steel cap", ComponentLink1Description=Datasheet, ComponentLink1URL=https://www.te.com/commerce/DocumentDelivery/DDEController?Action=srchrtrv&DocNm=MS5607-02BA03&DocType=Data+Sheet&DocLang=English, Digikey=223-1198-1-ND
U11: "Low-Power 100-g 3-Axis Digital Accelerometer", ComponentLink1Description=Datasheet, ComponentLink1URL=https://www.st.com/content/ccc/resource/technical/document/datasheet/6e/c2/95/d9/3a/3f/4f/cb/DM00162193.pdf/files/DM00162193.pdf/jcr:content/translations/en.DM00162193.pdf, Digikey=497-15697-1-ND
U12: "High Performance / 3-axis Magnetic Sensor", ComponentLink1Description=Datasheet, ComponentLink1URL=https://media.digikey.com/pdf/Data%20Sheets/MEMSIC%20PDFs/MMC5983MA_RevA_4-3-19.pdf, Digikey=1267-MMC5983MACT-ND
X1 X2: "PCB terminal blocks with levers and Push-in CAGE CLAMP® connection", ComponentLink1Description=Datasheet, ComponentLink1URL=https://www.wago.com/us/pcb-interconnect/pcb-terminal-block/p/2604-1106
X3 X6: "Crimp Style Connectors (Wire-to-Board type)"
  X3: Digikey=455-1803-2-ND
  X6: Digikey=455-1808-1-ND
X4: library part "Servo Connector Dual", "6 Pin header for PWM servos"
X7: "Tag-Connect for ARM-Cortex (6-Pin)"
X8: library part "USB Type-C USB 2.0", "Typ-C", aliExpress=33045191307, Digikey=2073-USB4105-GF-ACT-ND, Farnell=3583366

## Free pads (board coordinates)
  round 5.5 hole 3.2: NC(-30,-13.5) NC(-30,13.5) NC(30,-13.5) NC(30,13.5)

## Via types
v1: diameter 0.45, hole 0.2, Top Layer to Bottom Layer, tented both sides, 176 vias
v2: diameter 0.8, hole 0.5, Top Layer to Bottom Layer, tented both sides, 46 vias
v3: diameter 0.55, hole 0.3, Top Layer to Bottom Layer, tented both sides, 3 vias

## Nets (pads, with @x,y where several pads share a name; then routed paths per layer and width w, separated by ;. In a path a pad name is that pad's centre, name@x,y a point inside that pad or via, vN(x,y) a via of type N, cw(c..) or ccw(c..) an arc to the next point about the centre after c; other vN are vias at no path point)
3V3: C2.2 C3.2 C4.2 C5.2 C6.2 C7.2 C8.2 C30.2 C38.2 C39.2 C40_U_CATS-FAT-IMU1.2 C40_U_CATS-FAT-IMU2.2 C41_U_CATS-FAT-IMU1.2 C41_U_CATS-FAT-IMU2.2 C42_U_CATS-FAT-IMU1.2 C42_U_CATS-FAT-IMU2.2 C44_U_CATS-FAT-Baro1.2 C44_U_CATS-FAT-Baro2.2 C44_U_CATS-FAT-Baro3.2 C45.2 C46.2 C47.2 C48.2 C49.2 D1.A D3.K D6_CH1.K D6_CH2.K D6_CH3.K R2.2 R3.2 R4.2 R5.2 U1.13 U1.19 U1.32 U1.48 U1.64 U6.5 U7.3 U8.8 U9_U_CATS-FAT-IMU1.1 U9_U_CATS-FAT-IMU1.16 U9_U_CATS-FAT-IMU2.1 U9_U_CATS-FAT-IMU2.16 U10_U_CATS-FAT-Baro1.1 U10_U_CATS-FAT-Baro2.1 U10_U_CATS-FAT-Baro3.1 U11.1 U11.14 U11.15 U12.2 U12.13 X7.1 | length 63.2
  Top Layer w0.102: U9_U_CATS-FAT-IMU1.16@-2.129,-13.3 -2.129,-12.925 -2.429,-12.625 U9_U_CATS-FAT-IMU1.1@-2.429,-12.5 -2.429,-12.054 -1.932,-11.557 C41_U_CATS-FAT-IMU1.2@-1.143,-11.557 C42_U_CATS-FAT-IMU1.2@0.127,-11.557 ; U10_U_CATS-FAT-Baro2.1@3.775,14.1 3.775,15.313 C44_U_CATS-FAT-Baro2.2@3.862,15.4
  Top Layer w0.127: D6_CH1.K@-13.509,13.029 -13.509,12.879 -13.173,12.542 -12.898,12.542 -12.802,12.446 v1(-12.802,12.294) ; R4.2@-12.243,13.36 R4.2@-12.116,13.36 -12.116,13.259 -12.065,13.208 -9.514,13.208 -9.13,13.592 -8.122,13.592 X7.1@-8.1,13.57 ; R3.2@-11.049,6.604 -10.998,6.655 v1(-10.998,7.341) ; C45.2@-9.779,5.588 C46.2@-9.779,6.604 -9.729,6.654 U11.1@-8.581,6.654 ; U9_U_CATS-FAT-IMU2.1@-8.8,-12.5 -8.8,-12.025 -8.332,-11.557 C41_U_CATS-FAT-IMU2.2@-7.493,-11.557 ; U12.2@-8.567,2.166 -7.08,2.166 -6.542,2.704 U12.13@-6.542,3.191 -5.655,4.078 C49.2@-4.892,4.078 C48.2@-3.692,4.078 ; U9_U_CATS-FAT-IMU2.16@-8.5,-13.3 -8.375,-13.3 -8.125,-13.05 -8.125,-12.316 -7.747,-11.938 -7.747,-11.811 C41_U_CATS-FAT-IMU2.2@-7.493,-11.557 ; U11.15@-7.281,6.954 -7.281,7.338 C47.2@-6.781,7.838 ; U11.14@-6.781,6.954 C47.2@-6.781,7.838 ; C47.2@-6.646,8.1 -6.781,7.965 C47.2@-6.781,7.838 ; -6.6,7.5 -6.3,7.8 v1(-6.3,7.9) ; C42_U_CATS-FAT-IMU2.2@-6.096,-11.557 C41_U_CATS-FAT-IMU2.2@-7.366,-11.557 C41_U_CATS-FAT-IMU2.2@-7.493,-11.557 ; v1@-4.293,5.105 v1(-4.267,5.105) ; v1(-3.2,5.588) -2.87,5.918 R5.2@-2.87,6.731 ; D1.A@-2.8,-6.5 -2.737,-6.5 -2.4,-6.164 C6.2@-2.4,-4.724 -2.273,-4.724 -2.019,-4.47 -2.019,-4.419 -1.35,-3.75 U1.64@-0.65,-3.75 ; v1@-1.655,-7.205 -1.655,-7.345 v1(-1.6,-7.4) ; v1(0.025,4.42) 0.025,4.507 0.176,4.658 C2.2@0.176,7.511 ; C3.2@0.176,8.838 C2.2@0.176,7.638 C2.2@0.176,7.511 ; U1.48@1.25,5.65 1.25,6.437 C2.2@0.176,7.511 ; U1.13@7.25,-5.65 7.25,-6.646 7.577,-6.973 7.976,-6.973 8.23,-7.227 C7.2@8.23,-7.354 C8.2@8.23,-8.554 R2.2@8.23,-9.754 ; U1.19@10.65,-2.75 12.312,-2.75 C4.2@12.4,-2.838 ; U1.32@10.65,3.75 11.35,3.75 12.019,4.419 12.019,4.708 12.273,4.962 C5.2@12.4,4.962 ; C44_U_CATS-FAT-Baro3.2@11.049,-15.113 11.206,-14.956 U10_U_CATS-FAT-Baro3.1@11.206,-13.8 ; U7.3@12.425,9.725 12.395,9.695 12.395,8.866 12.649,8.612 12.649,8.313 C38.2@12.862,8.1 ; C39.2@19.962,14.8 19.962,15.593 20.269,15.9 21.844,15.9 22.095,15.649 U8.8@22.095,14.875 21.555,14.875 v1(20.93,14.249) ; v1(20.447,4.089) 21.336,3.2 D3.K@22,3.2
  Top Layer w0.254: U10_U_CATS-FAT-Baro1.1@19.775,12 19.868,12.094 19.868,14.707 C39.2@19.962,14.8
  other v1: -25,-15 -13,-15 -5,-15 1,-15 3,-15 5,-15 7,-15 9,-15 15,-15 25,-15 27,-15 -12,-13 16,-13 -0.481,-11.584 -3,-11 7,-11 10.227,-9.927 8.257,-9.781 -8,-9 -6,-9 11,-7 13,-7 -11,5 11,5 -11,13 -1,13 1,13 3,13 5,13
5V: C21.2 C23.2 C24.2 C27.2 L3.2 LS1.1 Q7_CH1.1 Q7_CH2.1 Q7_CH3.1 R8.2 U5.8 X4.3 X4.4 X6.1 | length 87.7
  Top Layer w0.203: 24.6,-3.8 24.6,-3.713 25.163,-3.15 26.115,-3.15 C21.2@26.638,-2.627
  Top Layer w0.254: v3(-21.9,0.1) -21.862,0.138 -21.049,0.138 Q7_CH2.1@-21.009,0.178 ; v3(-18.9,-8.2) -18.862,-8.238 -18.029,-8.238 Q7_CH3.1@-17.909,-8.358 ; v3(-18.7,8.8) -18.689,8.789 -17.683,8.789 Q7_CH1.1@-17.672,8.777 ; L3.2@19.4,-5.1 24.684,-5.1 C23.2@25.043,-5.459 ; U5.8@22.85,-7.825 24.659,-7.825 C24.2@24.984,-7.5 ; R8.2@24.038,-3.8 24.6,-3.8 24.6,-4.2 25.043,-4.643 C23.2@25.043,-5.459 ; C27.2@25.8,-9.038 25.673,-9.038 25.455,-8.821 25.455,-7.972 C24.2@24.984,-7.5 ; C21.2@26.638,-2.627 C21.2@26.638,-2.5 ; C24.2@24.984,-7.5 24.984,-5.6 C23.2@25.084,-5.5 C23.2@25.043,-5.459
  Top Layer w0.508: v2(23.972,8.073) 24.002,8.103 v2(27.229,8.103)
  Mid Layer 2 w0.508: v3(-18.9,-8.2) -18.6,-8.5 -10.1,-8.5 -8.6,-7
  Bottom Layer w0.508: v3(-18.9,-8.2) -20.6,-6.5 -20.6,-1.2 v3(-21.9,0.1) -22.8,1 -22.8,4.7 v3(-18.7,8.8) ; X6.1@17.5,11.25 17.5,12.2 18.588,13.288 18.631,13.288 18.649,13.306 19.151,13.306 19.169,13.288 24.38,13.288 25.502,12.167 25.502,9.669 23.906,8.073 v2(23.972,8.073) ; v2(20.7,-7.3) 20.7,-6.65 LS1.1@23.9,-3.45 24.896,-2.454 24.896,1.274 27.229,3.607 v2(27.229,8.103)
  other v2: 18.8,-7.3 19.8,-7.3 21.6,-7.3
BGND: JP1.2 X1.2 X1.4 X1.6 | length 63.9
  Top Layer w1.27: X1.2@35.8,-7 35.937,-7.137 46.812,-7.137 47.676,-6.274 47.676,2.896 ; X1.4@35.8,3 X1.4@44,3 44.104,2.896 47.676,2.896 ; X1.6@35.8,13 X1.6@44,13 44.427,12.573 46.812,12.573 47.676,11.709 47.676,2.896
  Bottom Layer w1.016: JP1.2@27.559,0.559 28.423,1.422 28.448,1.422
  Bottom Layer w1.27: 28.448,1.422 30.026,3 X1.4@35.8,3
BUTTON: R5.1 S2.1 U1.2 | length 43.2
  Top Layer w0.127: v1(-1.372,5.385) -1.346,5.41 R5.1@-1.346,6.731 -1.346,7.493 v1(-1.372,7.518) ; U1.2@1.75,-5.65 1.75,-4.244 2.769,-3.226 4.369,-3.226 v1(5.258,-2.337)
  Bottom Layer w0.127: S2.1@-18.542,15.162 -18.159,15.545 -17.272,15.545 -16.653,16.164 -12.582,16.164 -11.786,15.367 -11.786,11.086 -10.733,10.033 -10.433,10.033 -8.325,7.925 -7.391,7.925 -6.976,8.34 -5.165,8.34 -4.75,7.925 -3.378,7.925 -2.972,7.518 v1(-1.372,7.518) ; v1(-1.372,5.385) -1.372,5.072 3.3,0.4 3.3,-1.805 3.832,-2.337 v1(5.258,-2.337)
BUZZER: Q3.G R6.2 U1.17 | length 4.4
  Top Layer w0.127: R6.2@10.3,-6.238 R6.2@10.396,-6.238 ; U1.17@10.65,-3.75 10.65,-5.984 R6.2@10.396,-6.238 ; Q3.G@12,-6.05 11.812,-6.238 R6.2@10.396,-6.238
CAN_RX: U1.61 U7.4 | length 24.2
  Top Layer w0.127: U1.61@-0.65,-2.25 -0.643,-2.243 1.796,-2.243 3.133,-0.905 5.147,-0.905 v1(5.563,-1.321) ; U7.4@13.075,9.725 13.075,9.285 13.572,8.788 v1(13.614,8.788)
  Bottom Layer w0.127: v1(5.563,-1.321) 5.02,-0.778 5.02,3.877 9.931,8.788 v1(13.614,8.788)
CAN_TX: U1.62 U7.1 | length 20.3
  Top Layer w0.127: U1.62@-0.65,-2.75 -0.647,-2.747 1.978,-2.747 3.404,-1.321 v1(4.547,-1.321) ; v1(8.712,8.204) 10.058,8.204 11.125,9.271 U7.1@11.125,9.725
  Bottom Layer w0.127: v1(4.547,-1.321) 4.547,4.039 v1(8.712,8.204)
CS_ACCEL: U1.53 U11.8 | length 9.3
  Top Layer w0.127: U11.8@-6.781,4.354 -6.756,4.329 v1(-6.756,5.207) ; v1(-2.743,3.708) -2.743,2.261 -2.233,1.75 U1.53@-0.65,1.75
  Bottom Layer w0.127: v1(-6.756,5.207) -5.296,3.746 -2.781,3.746 v1(-2.743,3.708)
CS_BARO1: U1.37 U10_U_CATS-FAT-Baro1.4 U10_U_CATS-FAT-Baro1.5 | length 14.1
  Top Layer w0.127: U1.37@6.75,5.65 6.753,5.653 6.753,6.982 v1(6.756,6.985) ; v1(14.808,9.22) 14.896,9.22 14.989,9.313 15.789,9.313 16.025,9.55 U10_U_CATS-FAT-Baro1.5@16.025,9.8 U10_U_CATS-FAT-Baro1.4@16.025,12
  Bottom Layer w0.127: v1(6.756,6.985) 8.992,9.22 v1(14.808,9.22)
CS_BARO2: U1.38 U10_U_CATS-FAT-Baro2.4 U10_U_CATS-FAT-Baro2.5 | length 12.1
  Top Layer w0.127: U10_U_CATS-FAT-Baro2.4@0.025,14.1 U10_U_CATS-FAT-Baro2.5@0.025,11.9 0.025,11.049 0.914,10.16 2.667,10.16 6.25,6.577 U1.38@6.25,5.65
CS_BARO3: U1.33 U10_U_CATS-FAT-Baro3.4 U10_U_CATS-FAT-Baro3.5 | length 24.8
  Top Layer w0.127: v1(7.569,2.21) 8.75,3.391 U1.33@8.75,5.65 ; v1(11.913,-9.271) 14.808,-9.271 15.062,-9.525 15.062,-11.494 U10_U_CATS-FAT-Baro3.5@14.956,-11.6 U10_U_CATS-FAT-Baro3.4@14.956,-13.8
  Bottom Layer w0.127: v1(7.569,2.21) 11.913,-2.134 v1(11.913,-9.271)
CS_IMU1: U1.55 U9_U_CATS-FAT-IMU1.5 | length 15.9
  Top Layer w0.127: U9_U_CATS-FAT-IMU1.5@-4.429,-12.5 -4.429,-1.104 -2.575,0.75 U1.55@-0.65,0.75
CS_IMU2: U1.54 U9_U_CATS-FAT-IMU2.5 | length 22
  Top Layer w0.127: U9_U_CATS-FAT-IMU2.5@-10.8,-12.5 v1@-10.8,-10.617 ; v1(-6.528,-10.643) -6.528,-2.083 -5.08,-0.635 -4.47,-0.635 -2.585,1.25 U1.54@-0.65,1.25
  Bottom Layer w0.127: v1(-10.795,-10.617) -10.782,-10.63 -6.54,-10.63 v1(-6.528,-10.643)
CS_MAG: U1.52 U12.4 | length 13.4
  Top Layer w0.127: v1(-9.347,1.194) -9.333,1.18 -8.581,1.18 U12.4@-8.567,1.166 ; v1(-2.134,2.413) -1.971,2.25 U1.52@-0.65,2.25
  Bottom Layer w0.127: v1(-9.347,1.194) -9.373,1.219 -9.373,3.962 -8.941,4.394 -6.96,4.394 -4.978,2.413 v1(-2.134,2.413)